# Altium PCB TEST-MODULE-V3.PcbDoc
Units mm, origin at the board's own origin, x right, y up, seen from the top; angles counter-clockwise.
Board outline 70 x 70 mm, 2 copper layers (Top Layer, Bottom Layer), stack 1.571 mm thick; 37 components, 24 nets, 157 pads, 1 vias.
Unrouted connection lines stored in the file: 1.
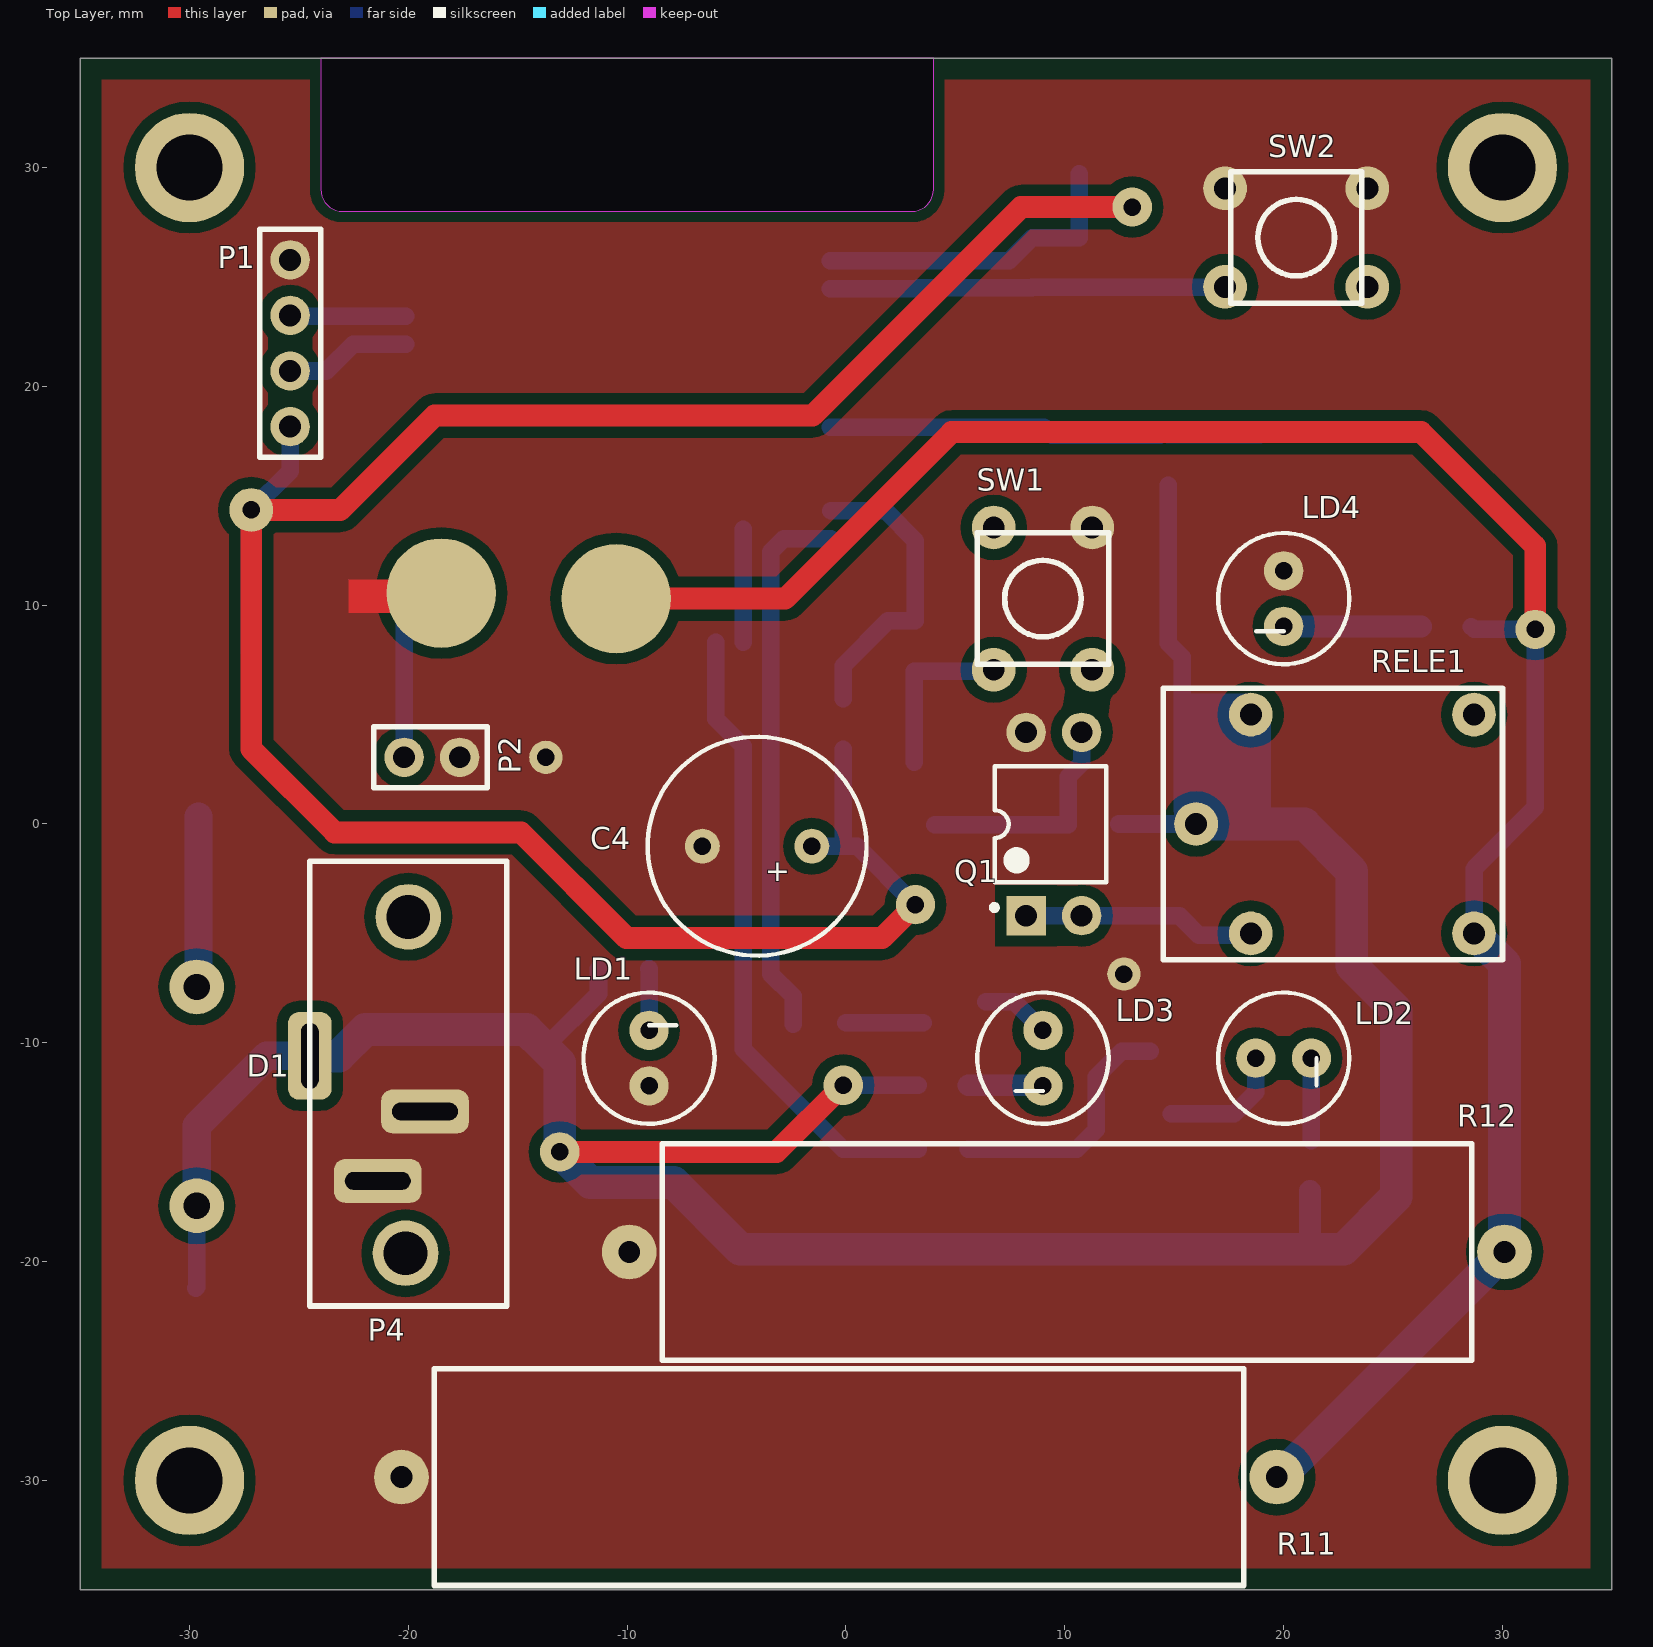
[diagram p0: Top Layer view]
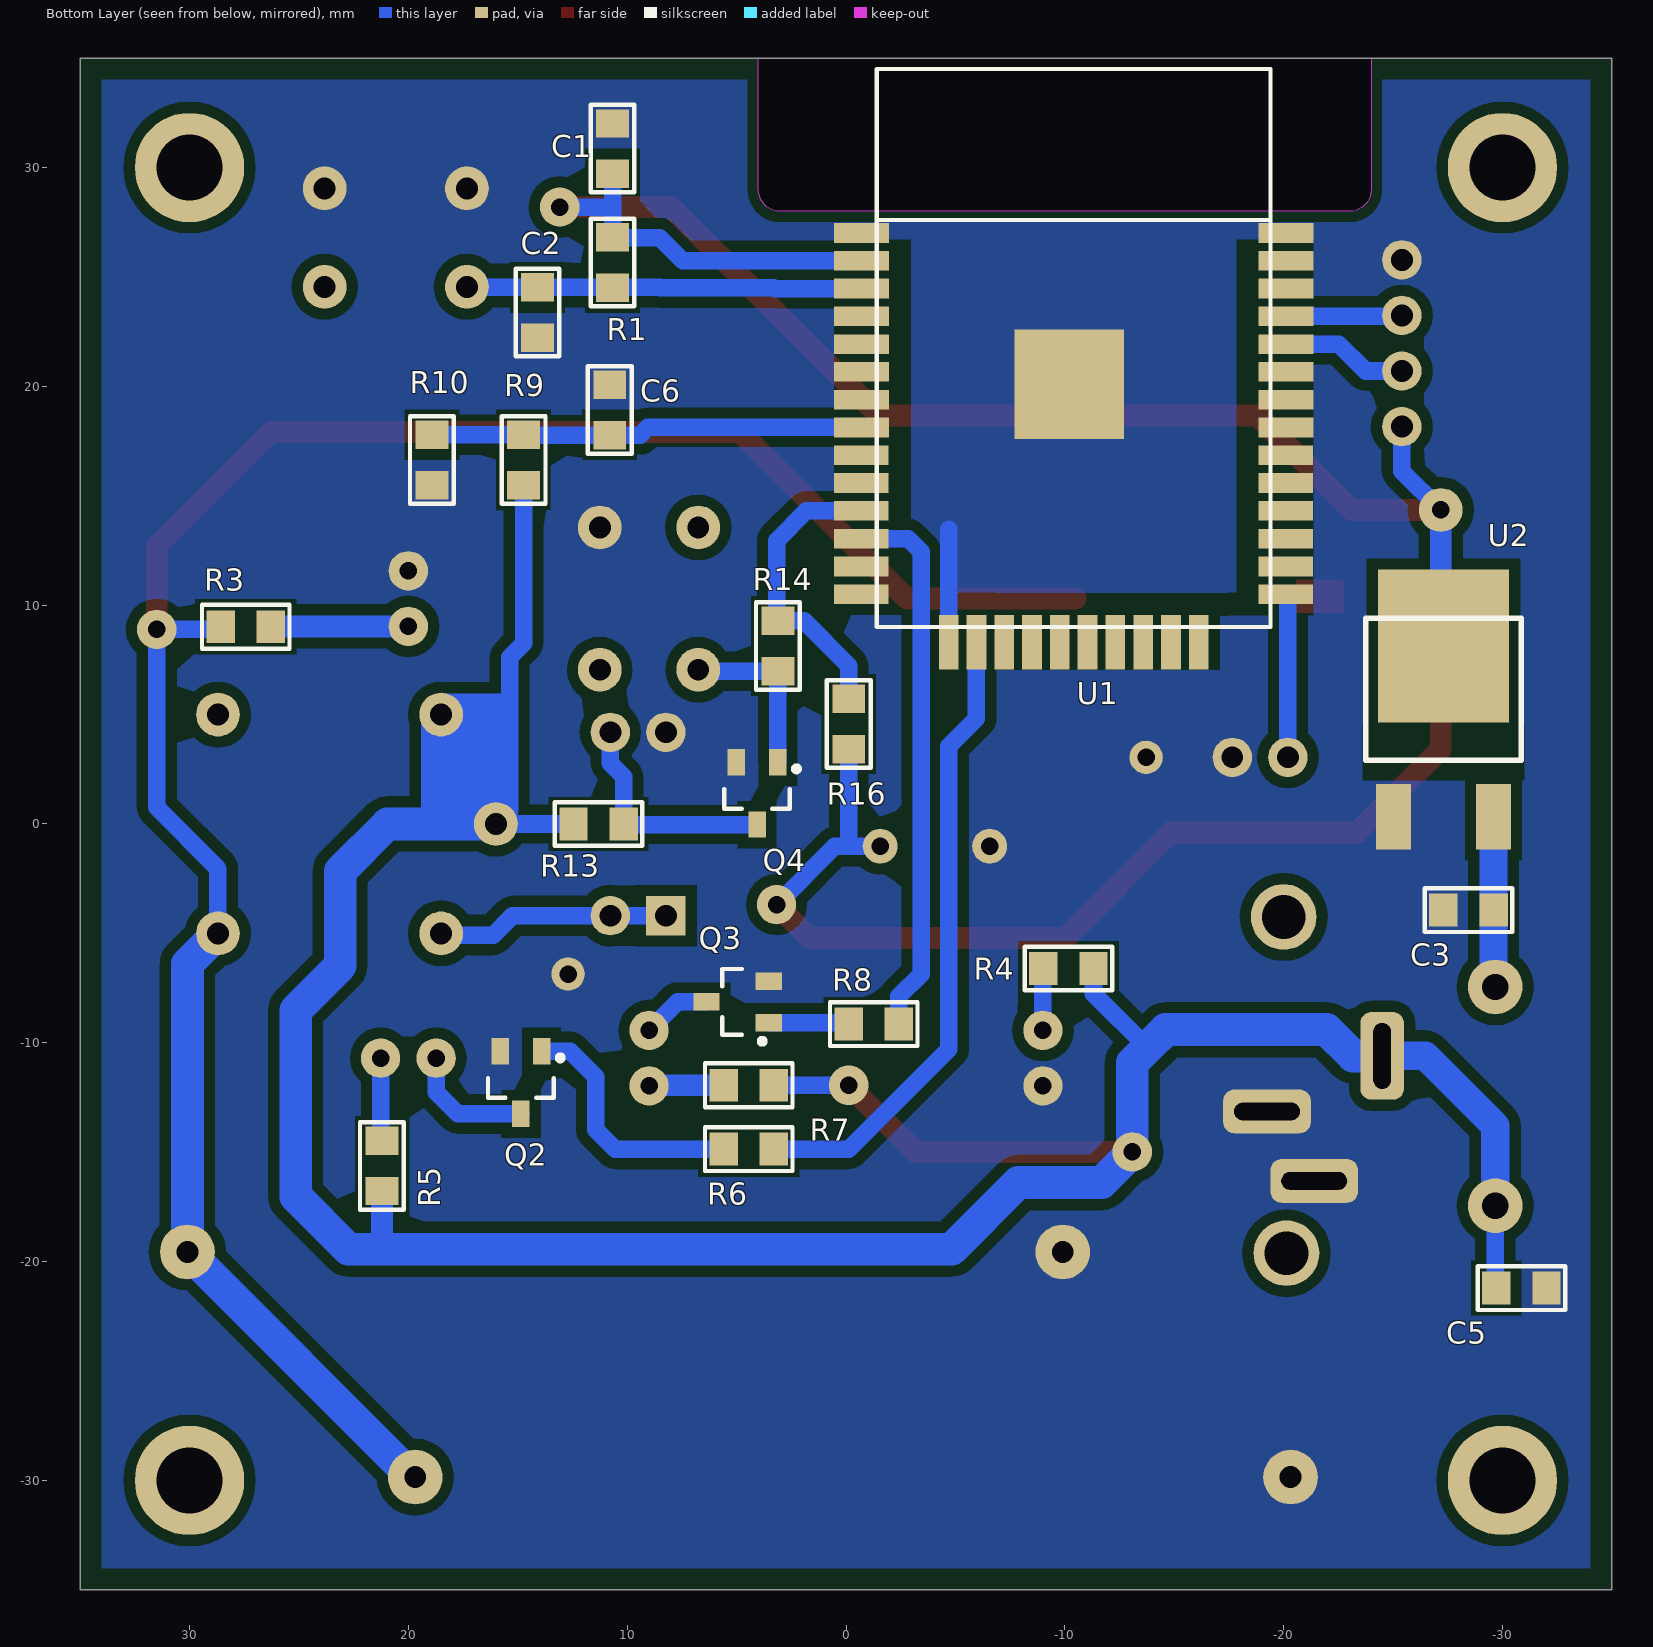
[diagram p1: Bottom Layer view, seen from below]

## Layer stack, top to bottom
Top Solder: solder mask 0.0102, Solder Resist, Dk 3.5
Top Layer: signal copper 0.0356
Dielectric 1: dielectric 1.5, FR-4, Dk 4.8
Bottom Layer: signal copper 0.0356
Bottom Solder: solder mask 0.0102, Solder Resist, Dk 3.5

## Board outline
-35,-35 -35,35 35,35 35,-35
cut-out: -24,29 ccw(c-23,29) -23,28 3,28 ccw(c3,29) 4,29 4,35 -24,35

## Design rules (kind name [scope] priority, off if disabled: settings)
Clearance [All] p1: gap=0.2 ignorepadtopadclearanceinfootprint=FALSE except(0.5: Arc-Fill Arc-Poly Arc-Region Track-Fill Track-Poly Track-Region SMDPad-Fill SMDPad-Poly SMDPad-Region THPad-Fill THPad-Poly THPad-Region Via-Fill Via-Poly Via-Region Fill-Fill Fill-Poly Fill-Region Poly-Poly Poly-Region Region-Region)
PlaneConnect [All] p1: planeconnectstyle=Direct reliefexpansion=0.508 reliefentries=4 reliefconductorwidth=0.254 reliefairgap=0.254
PolygonConnect [All] p1: connectstyle=Direct reliefconductorwidth=0.254 reliefentries=4 polygonreliefangle="90 Angle" airgapwidth=0.254
RoomDefinition TEST-MODULE-V3 [InComponentClass('TEST-MODULE-V3')] p1: confinementstyle=ConfineIn formatcopy=TRUE lockcomponents=FALSE outline 146.177,-35.969 237.081,-35.969 237.081,1.778 146.177,1.778
RoutingVias [All] p1: holewidth=0.711 width=1.27 viastyle="Through Hole" minholewidth=0.711 minwidth=1.27 maxholewidth=0.711 maxwidth=1.27
SolderMaskExpansion [All] p1: expansion=0.102
Width [All] p1: maxlimit=5 minlimit=0.5 preferedwidth=0.8
29 further rules are at their usual default settings.

## Components (designator, comment, footprint, x,y, rotation, side; value= is the part's Value field where it differs from the comment)
C1 "100NFX50V" CAP.SMD.0805 10.668,30.861 r270 bottom
C2 "100NFX50V" CAP.SMD.0805 14.097,23.368 r90 bottom
C3 "100NFX50V" CAP.SMD.0805 -28.448,-3.937 r180 bottom
C4 "470UFX25V" CAP-ELEC-10X13 -4.064,-1.016 r180 top
C5 "100NFX50V" CAP.SMD.0805 -30.861,-21.209 r0 bottom
C6 "100NFX50V" CAP.SMD.0805 10.795,18.923 r270 bottom
D1 "1N4007" "Diode DO41" -29.669,-12.446 r90 top
LD1 "LED 5MM AZUL" LED-5MM-ALTO-9-AZUL -9,-10.7 r90 top
LD2 "LED 5MM VERDE" LED-5MM-ALTO-9-VERDE 20,-10.7 r0 top
LD3 "LED 5MM ROJO" LED-5MM-ALTO-9-ROJO 9,-10.7 r270 top
LD4 "LED 5MM AZUL" LED-5MM-ALTO-9-AZUL 20,10.3 r270 top
P1 "IDC-HE-THT-1X4-P2.54MM" IDC-HE-THT-1X4-P2.54MM -25.4,18.161 r180 top
P2 "IDC-MA-THT-1X2-P2.54MM-L11" IDC-MA-THT-1X2-P2.54MM-L11 -20.193,3.048 r90 top
P4 "DC POWER JACK" "VAR-DC-JACK - VERT" -20,-4.5 r0 top
Q1 "IRFD110" TRA-IRFD110 9.5,0 r90 top
Q2 "BC817" NPN.SMD.SOT23 14.859,-11.811 r270 bottom
Q3 "BC817" NPN.SMD.SOT23 4.953,-8.128 r0 bottom
Q4 "BC817" NPN.SMD.SOT23 4.064,1.397 r270 bottom
R1 "10K" RES.SMD.103 10.668,25.654 r90 bottom
R3 "220E" RES.SMD.221 27.432,9.017 r0 bottom
R4 "220E 5%" RES.SMD.221 -10.16,-6.604 r180 bottom
R5 "220E" RES.SMD.221 21.209,-15.621 r270 bottom
R6 "10K" RES.SMD.103 4.445,-14.859 r0 bottom
R7 "220E" RES.SMD.221 4.445,-11.938 r180 bottom
R8 "10K" RES.SMD.103 -1.27,-9.144 r180 bottom
R9 "33K" RES.SMD.333 14.732,16.637 r270 bottom
R10 "5.6K" RES.SMD.562 18.923,16.637 r90 bottom
R11 "330E 5% 10W" RES-CERAMICA-10W -0.315,-29.845 r0 top
R12 "330E 5% 10W" RES-CERAMICA-10W 10.094,-19.558 r0 top
R13 "10K" RES.SMD.103 11.303,0 r0 bottom
R14 "1K" RES.SMD.102 3.114,8.135 r270 bottom
R16 "10K" RES.SMD.103 -0.127,4.572 r270 bottom
RELE1 "Relay simple inversor 12V 12A" "RELAY 12V 12A CHICO" 16,0 r270 top
SW1 "TACT-SWITCH-THT-4C-06X06(13MM)-JIANFU" TACT-SWITCH-THT-4C-06X06-13MM 9,10.3 r90 top
SW2 "TACT-SWITCH-THT-4C-06X06(5MM)" TACT-SWITCH-THT-4C-06X06-5MM 20.574,26.797 r180 top
U1 "ESP32-WROOM-32D" ESP32-WROOM-32D -10,20 r180 bottom
U2 "LD1117S33TR SMD DPAK 0.8A 3.3V LDO LINEAR REGULATOR" DPAK -27.305,5.334 r180 bottom

## Footprints (in the part's own frame and the unit in brackets; to place one, negate y for a bottom-side part, rotate by r counter-clockwise, add the part's x,y. Pads: shape width x height; smd on the part's side, far side on the other; paste and mask are expansions set on the pad)
CAP-ELEC-10X13 [mm] "CAPACITOR ELECTROLITICO 10 X 13"
  round 1.6 hole 0.8: 1(-2.5,0) 2(2.5,0)
  silkscreen extent -5,-5 5,5, body extent -5,-5 5,5, height 12.5
CAP.SMD.0805 [mm] "COG 10% CER.MULT. SMD 0805"
  rect 1.3x1.5 smd: 1(-1.15,0) 2(1.15,0)
  silkscreen extent -2,-1 2,1, body extent -1.1,-0.69 1.1,0.76, height 0.88
"Diode DO41" [mm] "Diode DO41"
  round 2.5 hole 1.2: A(-5,0) K(5,0)
  body extent -5.51,-1.43 5.51,1.27, height 3.28
DPAK [mm] "DPAK"
  rect 1.6x3 smd: 1(-2.285,-5) 3(2.285,-5)
  rect 6x7 smd: 2(0,2.794)
  silkscreen extent -3.56,-2.41 3.56,4.06, body extent -3.36,-5.21 3.36,5.21, height 2.39
ESP32-WROOM-32D [mm] "ESP32-WROOM-32D"
  rect 2.5x0.9 smd: 1(-9.29,7.01) 2(-9.29,5.74) 3(-9.29,4.47) 4(-9.29,3.2) 5(-9.29,1.93) 6(-9.29,0.66) 7(-9.29,-0.61) 8(-9.29,-1.88) 9(-9.3,-3.15) 10(-9.3,-4.42) 11(-9.3,-5.69) 12(-9.3,-6.96) 13(-9.3,-8.23) 14(-9.3,-9.5) 25(10.1,-9.5) 26(10.1,-8.23) 27(10.1,-6.96) 28(10.1,-5.69) 29(10.1,-4.42) 30(10.1,-3.15) 31(10.11,-1.88) 32(10.11,-0.61) 33(10.11,0.66) 34(10.11,1.93) 35(10.11,3.2) 36(10.11,4.47) 37(10.11,5.74) 38(10.11,7.01)
  rect 0.9x2.5 smd: 15(-5.31,-11.69) 16(-4.04,-11.69) 17(-2.77,-11.7) 18(-1.5,-11.7) 19(-0.23,-11.7) 20(1.04,-11.7) 21(2.31,-11.7) 22(3.58,-11.7) 23(4.85,-11.7) 24(6.12,-11.7)
  rect 5x5 smd: 39(0.2,0.1)
  silkscreen extent -8.6,-11 9.4,14.5, body extent -8.49,-11.1 9.51,14.4, height 2.91
IDC-HE-THT-1X4-P2.54MM [mm] "IDC-HE-THT-1X4-P2.54MM"
  round 1.8 hole 1: 1(0,0) 2(0,-2.54) 3(0,-5.08) 4(0,-7.62)
  silkscreen extent -1.4,-9.02 1.4,1.4, body extent -1.27,-8.89 1.27,1.27, height 8
IDC-MA-THT-1X2-P2.54MM-L11 [mm] "IDC-MA-THT-1X2-P2.54MM-L11"
  round 1.8 hole 1: 1(0,0) 2(0,-2.54)
  silkscreen extent -1.4,-3.79 1.4,1.4, body extent -1.25,-3.79 1.25,1.25, height 9.54
LED-5MM-ALTO-9-AZUL [mm] "LED-5MM-ALTO-9-AZUL"
  round 1.8 hole 0.8: A(1.27,0) K(-1.27,0)
  silkscreen extent -3,-3 3,3, body extent -2.9,-2.9 2.9,2.9, height 15.7
LED-5MM-ALTO-9-ROJO [mm] "LED-5MM-ALTO-9-ROJO"
  round 1.8 hole 0.8: A(1.27,0) K(-1.27,0)
  silkscreen extent -3,-3 3,3, body extent -2.9,-2.9 2.9,2.9, height 15.7
LED-5MM-ALTO-9-VERDE [mm] "LED-5MM-ALTO-9-VERDE"
  round 1.8 hole 0.8: A(1.27,0) K(-1.27,0)
  silkscreen extent -3,-3 3,3, body extent -2.9,-2.9 2.9,2.9, height 15.7
NPN.SMD.SOT23 [mm] "Transistor NPN 0.25W SOT23"
  rect 1.2x0.8 smd: 1(-1.425,0.95) 2(-1.425,-0.95) 3(1.425,0)
  silkscreen extent -1.25,-1.5 0.7,1.92, body extent -1.37,-1.52 1.27,1.52, height 0.94
"RELAY 12V 12A CHICO" [mm] "RELAY 12V 12A CHICO"
  round 2 hole 1: 1(-5,2.5) 2(5,2.5) 3(0,0) 4(5,12.7) 5(-5,12.7)
  silkscreen extent -6.2,-1.5 6.2,14, body extent -6,-1.3 6,14, height 13.1
RES-CERAMICA-10W [mm] "Resistenci ceramica 10W"
  round 2.5 hole 1: 1(-20,0) 2(20,0)
  silkscreen extent -18.5,-4.95 18.5,4.95, body extent -20.4,-4.75 20.4,4.75, height 9.5
RES.SMD.102 [mm] "5% 0805 1/8W RES.SMD"
  rect 1.3x1.5 smd: 1(-1.15,0) 2(1.15,0)
  silkscreen extent -2,-1 2,1, body extent -0.87,-0.62 1.13,0.63, height 0.48
RES.SMD.103 [mm] "5% 0805 1/8W RES.SMD"
  rect 1.3x1.5 smd: 1(-1.15,0) 2(1.15,0)
  silkscreen extent -2,-1 2,1, body extent -0.87,-0.62 1.13,0.63, height 0.48
RES.SMD.221 [mm] "5% 0805 1/8W RES.SMD"
  rect 1.3x1.5 smd: 1(-1.15,0) 2(1.15,0)
  silkscreen extent -2,-1 2,1, body extent -0.87,-0.62 1.13,0.63, height 0.48
RES.SMD.333 [mm] "5% 0805 1/8W RES.SMD"
  rect 1.3x1.5 smd: 1(-1.15,0) 2(1.15,0)
  silkscreen extent -2,-1 2,1, body extent -0.87,-0.62 1.13,0.63, height 0.48
RES.SMD.562 [mm] "5% 0805 1/8W RES.SMD"
  rect 1.3x1.5 smd: 1(-1.15,0) 2(1.15,0)
  silkscreen extent -2,-1 2,1, body extent -0.87,-0.62 1.13,0.63, height 0.48
TACT-SWITCH-THT-4C-06X06-5MM [mm] "TACT-SWITCH-THT-4C-06X06-5MM"
  round 2 hole 1: 1(-3.25,2.25) 2(3.25,2.25) 3(-3.25,-2.25) 4(3.25,-2.25)
  silkscreen extent -3,-3 3,3, body extent -3.94,-3 3.94,3, height 5
TACT-SWITCH-THT-4C-06X06-13MM [mm] "TACT-SWITCH-THT-4C-06X06-13MM"
  round 2 hole 1: 1(-3.25,2.25) 2(3.25,2.25) 3(-3.25,-2.25) 4(3.25,-2.25)
  silkscreen extent -3,-3 3,3, body extent -3.94,-3 3.94,3, height 13
TRA-IRFD110 [mm] "TRA-IRFD110"
  rect 1.8x1.8 hole 1: 1(-4.191,1.27)
  round 1.8 hole 1: 2(-4.191,-1.27) 3(4.191,-1.27) 4(4.191,1.27)
  silkscreen extent -3.94,-2.4 2.64,2.85, body extent -4.3,-2.5 4.3,2.5, height 4.62
"VAR-DC-JACK - VERT" [mm] "VAR-DC-JACK-VERT"
  rrect50% 2x4 hole 0.8 slot 3 at 90 deg: 1(-4.5,-6.096)
  rrect50% 4x2 hole 0.8 slot 3 at 0 deg: 2(-1.397,-11.811) 3(0.762,-8.636)
  round 3 hole 2: 31(0,0.254) 32(-0.127,-15.113)
  silkscreen extent -4.5,-17.53 4.5,2.79, body extent -4.55,-17.26 4.45,2.54, height 11.6

## Part data
C1 C2 C3 C5 C6: library part "Capacitor 100NFX50V X7R 10% CER.MULT. SMD 0805", "100NFX50V X7R 10% CER.MULT. SMD 0805", COD. ELEMON=CA3279774, COD. FV=CE.CAP.0008
C4: library part "Capacitor Electrolitico 470UFX25V 85°C 10x13 ELE.RAD", "470UFX25V 85°C 10x13 ELE.RAD", COD. ELEMON=CA3609281A
D1: library part "Diodo 1N4007 DIODO 1A 1000V DO41", "Diodo 1N4007 DIODO 1A 1000V DO41", COD. ELEMON=DI1152060
LD1 LD4: library part "LED 5MM AZUL ALTO 9", "LED 5MM AZUL ALTO 9"
LD2: library part "LED 5MM VERDE ALTO 9", "LED 5MM VERDE ALTO 9"
LD3: library part "LED 5MM ROJO ALTO 9", "LED 5MM ROJO ALTO 9"
P4: library part "DC POWER JACK VERTICAL 2MM", "DC POWER JACK VERTICAL 2MM"
Q1: library part "Transistor MOSFET N IRFD110", "Transistor MOSFET N IRFD110", COD. FV=CE.TRA.0003
Q2 Q3 Q4: library part "Transistor BC817-40 TRA.NPN 45V0.5A 0.25W SOT23", "BC817-40 TRA.NPN 45V0.5A 0.25W SOT23", COD. ELEMON=TR1723020, COD. FV=CE.TRA.0002
R1 R6 R8 R13 R16: library part "Resistencia 10K 5% 0805 1/8W", "10K 5% 0805 1/8W RES.SMD", COD. ELEMON=RS3896245, COD. FV=CE.RES.0014
R3 R4 R5 R7: library part "Resistencia 220E 5% 0805 1/8W", "220E 5% 0805 1/8W RES.SMD", COD. ELEMON=RS3896145
R9: library part "Resistencia 33K 5% 0805 1/8W", "33K 5% 0805 1/8W RES.SMD", COD. ELEMON=RS3896275, COD. FV=CE.RES.0015
R10: library part "Resistencia 5.6K 5% 0805 1/8W", "5.6K 5% 0805 1/8W RES.SMD", COD. ELEMON=RS3896230
R11 R12: library part "Resistencia Ceramica 330E 5% 10W SE15 RES.CEM", "Resistencia Ceramica 330E 5% 10W SE15 RES.CEM", COD. ELEMON=RS4096155
R14: library part "Resistencia 1K 5% 0805 1/8W", "1K 5% 0805 1/8W RES.SMD", COD. ELEMON=RS3896185, COD. FV=CE.RES.0012
RELE1: library part "VAR-RELE-12V Relay simple inversor chico 12V 12A"
P1: COD. ELEMON=CO5001085, COD. SYC=PB04S
P2: COD. ELEMON=CO496C20
SW1: COD. ELEMON=SW5702124
SW2: COD. ELEMON=SW5702101
U1: COD. ELEMON=RF9301435

## Free pads (board coordinates)
  round 5 hole 3: 12(-30,-30) 12(-30,30) 12(30,-30) 12(30,30)
  round 5 smd: 13(-18.5,10.554) 13(-10.5,10.3)
  round 1.524 hole 0.8: 22(-24.5,-11.699) 22(-24.5,-10.596) 22(-22.5,-16.311) 22(-21.397,-16.311) 22(-20.341,-13.136) 22(-19.238,-13.136) 23(-24.5,-10.199) 23(-21,-16.311) 23(-18.841,-13.136) 24(-24.5,-11.199) 24(-24.5,-9.699) 24(-22,-16.311) 24(-20.5,-16.311) 24(-19.841,-13.136) 24(-18.341,-13.136) 30(12.7,-6.858) 32(-13.716,3.048)
  round 1.8 hole 0.8: 25(-13.081,-14.986) 27(31.496,8.89) 28(13.081,28.194) 29(3.175,-3.683)
  round 2 hole 0.8: 26(-27.178,14.351)

## Via types
v1: diameter 1.8, hole 0.8, Top Layer to Bottom Layer, 1 vias

## Nets (pads, with @x,y where several pads share a name; then routed paths per layer and width w, separated by ;. In a path a pad name is that pad's centre, name@x,y a point inside that pad or via, vN(x,y) a via of type N, cw(c..) or ccw(c..) an arc to the next point about the centre after c; other vN are vias at no path point)
3V3: C1.2 C4.1 P1.1 pad.26 pad.28 pad.29 R1.2 R16.2 U1.2 U2.2 | length 129.9
  Top Layer w1: pad.29 1.651,-5.207 -10.033,-5.207 -14.859,-0.381 -23.368,-0.381 -27.178,3.429 pad.26 -23.114,14.351 -18.796,18.669 -1.524,18.669 8.001,28.194 pad.28
  Bottom Layer w0.8: pad.26 -25.4,16.129 P1.1 ; C4.1 0.508,-1.016 pad.29 ; U1.2 7.452,25.74 8.509,26.797 10.661,26.797 R1.2 10.668,28.194 ; -0.127,-1.016 R16.2 ; C1.2 10.668,28.194 ; pad.28 10.668,28.194
  Bottom Layer w1: U2.2@-27.178,7.874 pad.26
12V: C5.2 D1.A P4.1 pad.22@-24.5,-10.596 pad.22@-24.5,-11.699 pad.23@-24.5,-10.199 pad.24@-24.5,-9.699 pad.24@-24.5,-11.199 pad.25 R4.2 R5.2 R7.2 R9.2 R13.2 RELE1.1 RELE1.3 | length 140.4
  Top Layer w1: pad.25 -3.175,-14.986 v1(-0.127,-11.938)
  Bottom Layer w0.8: C5.2 -29.669,-21.167 D1.A ; -13.779,-10.223 -11.31,-7.754 R4.2 ; v1(-0.127,-11.938) R7.2 R7.2@3.302,-11.938 ; R13.2 RELE1.3 15.367,0.633 15.367,7.62 14.725,8.262 14.725,13.55 14.732,13.557 R9.2
  Bottom Layer w1: D1.A@-29.591,-17.446 D1.A@-29.003,-17.446 ; 21.209,-19.431 R5.2
  Bottom Layer w1.3: D1.A -29.669,-13.794 -26.471,-10.596 P4.1
  Bottom Layer w1.5: P4.1 -23.169,-10.596 -21.971,-9.398 -14.605,-9.398 -13.779,-10.223 -13.081,-10.922 pad.25 -11.684,-16.383 -7.874,-16.383 -4.826,-19.431 21.209,-19.431 22.733,-19.431 25.146,-17.018 25.146,-8.509 23.114,-6.477 23.114,-2.159 20.955,0 RELE1.3
ACT: R14.1 R16.1 U1.11 | length 13.7
  Bottom Layer w0.8: U1.11 1.819,14.31 3.175,12.954 R14.1@3.175,9.285 ; R16.1 -0.127,7.239 1.919,9.285 R14.1
EN: C2.2 R1.1 SW2.1 SW2.2 U1.3 | length 18.1
  Bottom Layer w0.8: U1.3 3.261,24.47 3.295,24.504 5.588,24.504 8.396,24.504 8.495,24.504 8.509,24.518 SW2.2@17.324,24.518
GND: C1.1 C2.1 C3.1 C4.2 C5.1 C6.1 LD1.K LD4.K P1.4 P2.2 P4.2 P4.3 pad.22@-19.238,-13.136 pad.22@-20.341,-13.136 pad.22@-21.397,-16.311 pad.22@-22.5,-16.311 pad.23@-18.841,-13.136 pad.23@-21,-16.311 pad.24@-18.341,-13.136 pad.24@-19.841,-13.136 pad.24@-20.5,-16.311 pad.24@-22,-16.311 pad.30 pad.32 Q1.4 Q2.2 Q3.2 Q4.2 R10.1 R11.1 R12.1 SW1.4 SW2.3 SW2.4 U1.1 U1.15 U1.38 U1.39 U2.1 | length 5.2
  Bottom Layer w0.8: -4.699,13.462 -4.69,13.453 U1.15
IO0: P2.1 U1.25 | length 7.5
  Bottom Layer w0.8: P2.1 -20.193,10.407 U1.25
NetC3_2: C3.2 D1.K U2.3 | length 7.8
  Bottom Layer w0.8: D1.K D1.K@-29.59,-7.367
  Bottom Layer w1.3: D1.K@-29.59,-7.367 U2.3
NetLD1_A: LD1.A R4.1 | length 2.8
  Bottom Layer w0.8: R4.1 -9,-6.614 LD1.A
NetLD2_A: LD2.A R5.1 | length 3.8
  Bottom Layer w0.8: R5.1@21.27,-14.471 LD2.A
NetLD2_K: LD2.K Q2.3 | length 5.8
  Bottom Layer w0.8: Q2.3 17.752,-13.236 18.73,-12.258 LD2.K
NetLD3_A: LD3.A R7.1 | length 3.4
  Bottom Layer w1: R7.1 8.968,-11.938 LD3.A
NetLD3_K: LD3.K Q3.3 | length 3.2
  Bottom Layer w0.8: Q3.3 7.698,-8.128 LD3.K
NetLD4_A: LD4.A R3.1 | length 6.3
  Bottom Layer w1: LD4.A R3.1@26.282,9.03
NetQ1_1: Q1.1 Q1.2 RELE1.2 | length 10.7
  Bottom Layer w0.8: Q1.1 Q1.2 15.24,-4.191 16.129,-5.08 18.42,-5.08 RELE1.2
NetQ1_3: Q1.3 Q4.3 R13.1 | length 10.5
  Bottom Layer w0.8: Q4.3 R13.1@10.153,-0.028 ; R13.1 10.16,0.007 10.16,2.159 10.77,2.769 Q1.3
NetQ2_1: Q2.1 R6.2 | length 11.6
  Bottom Layer w0.8: R6.2 10.541,-14.859 11.43,-13.97 11.43,-11.557 12.601,-10.386 Q2.1
NetQ3_1: Q3.1 R8.1 | length 3.5
  Bottom Layer w0.8: R8.1@0,-9.078 Q3.1
NetQ4_1: Q4.1 R14.2 SW1.1 | length 7.8
  Bottom Layer w0.8: Q4.1 R14.2 6.685,6.985 SW1.1
rele_out: pad.13@-10.5,10.3 pad.27 R3.2 R11.2 R12.2 RELE1.4 | length 98.9
  Top Layer w1: pad.13@-10.5,10.3 -2.781,10.3 4.826,17.907 26.289,17.907 31.496,12.7 pad.27
  Bottom Layer w0.8: R3.2 28.709,8.89 pad.27 31.496,0.762 28.7,-2.034 RELE1.4
  Bottom Layer w1.5: R11.2@19.746,-29.906 30.099,-19.553 30.099,-6.399 RELE1.4
ROJO: R8.2 U1.12 | length 25
  Bottom Layer w0.8: R8.2@-2.413,-9.144 -2.413,-7.874 -3.429,-6.858 -3.429,12.446 -2.835,13.04 U1.12
RX: P1.2 U1.34 | length 5.8
  Bottom Layer w0.8: P1.2 -23.749,20.701 -22.52,21.93 U1.34
TX: P1.3 U1.35 | length 5.3
  Bottom Layer w0.8: P1.3@-25.4,23.2 U1.35
VERDE: R6.1 U1.16 | length 29
  Bottom Layer w0.8: U1.16 -5.96,4.817 -4.699,3.556 -4.699,-10.287 -0.127,-14.859 R6.1
VIN: C6.2 R9.1 R10.2 U1.8 | length 19.4
  Bottom Layer w0.8: U1.8 9.058,18.12 9.405,17.773 R9.1@14.351,17.773 ; R9.1 R10.2
pads on no net: P4.31 P4.32 RELE1.5 SW1.2 SW1.3 U1.4 U1.5 U1.6 U1.7 U1.9 U1.10 U1.13 U1.14 U1.17 U1.18 U1.19 U1.20 U1.21 U1.22 U1.23 U1.24 U1.26 U1.27 U1.28 U1.29 U1.30 U1.31 U1.32 U1.33 U1.36 U1.37

## Polygon pours and split planes (outlines as drawn)
GND on Bottom Layer "Top Layer-No Net" (solid, pour order 8): -34,34 34,34 34,-34 -34,-34
GND on Top Layer "Top Layer-No Net" (solid, pour order 10): -34,34 34,34 34,-34 -34,-34

## Other copper
Top Layer:
  rectangle net GND: -22.733,9.652 -20.574,11.176
Bottom Layer:
  rectangle net 12V: 14.986,0 19.431,5.08
  rectangle net 12V: 14.986,4.699 18.542,5.969
  pour cut-out: -31,4.572 -23.622,4.572 -23.622,2 -31,2

## Silkscreen, mask and mechanical layers (free items; w line width, h text height)
Mechanical 1:
  the board outline again, w0.254
Mechanical 13:
  lines w0.254: -24,29 ccw(c-23,29) -23,28 3,28 ccw(c3,29) 4,29 4,35 -24,35 -24,29

## Text inside footprints (layer, text, board x,y; h text height)
C4: Top Overlay "+" at -2.54,-1.778 h1 r180